# KiCad board panel.kicad_pcb (continued)
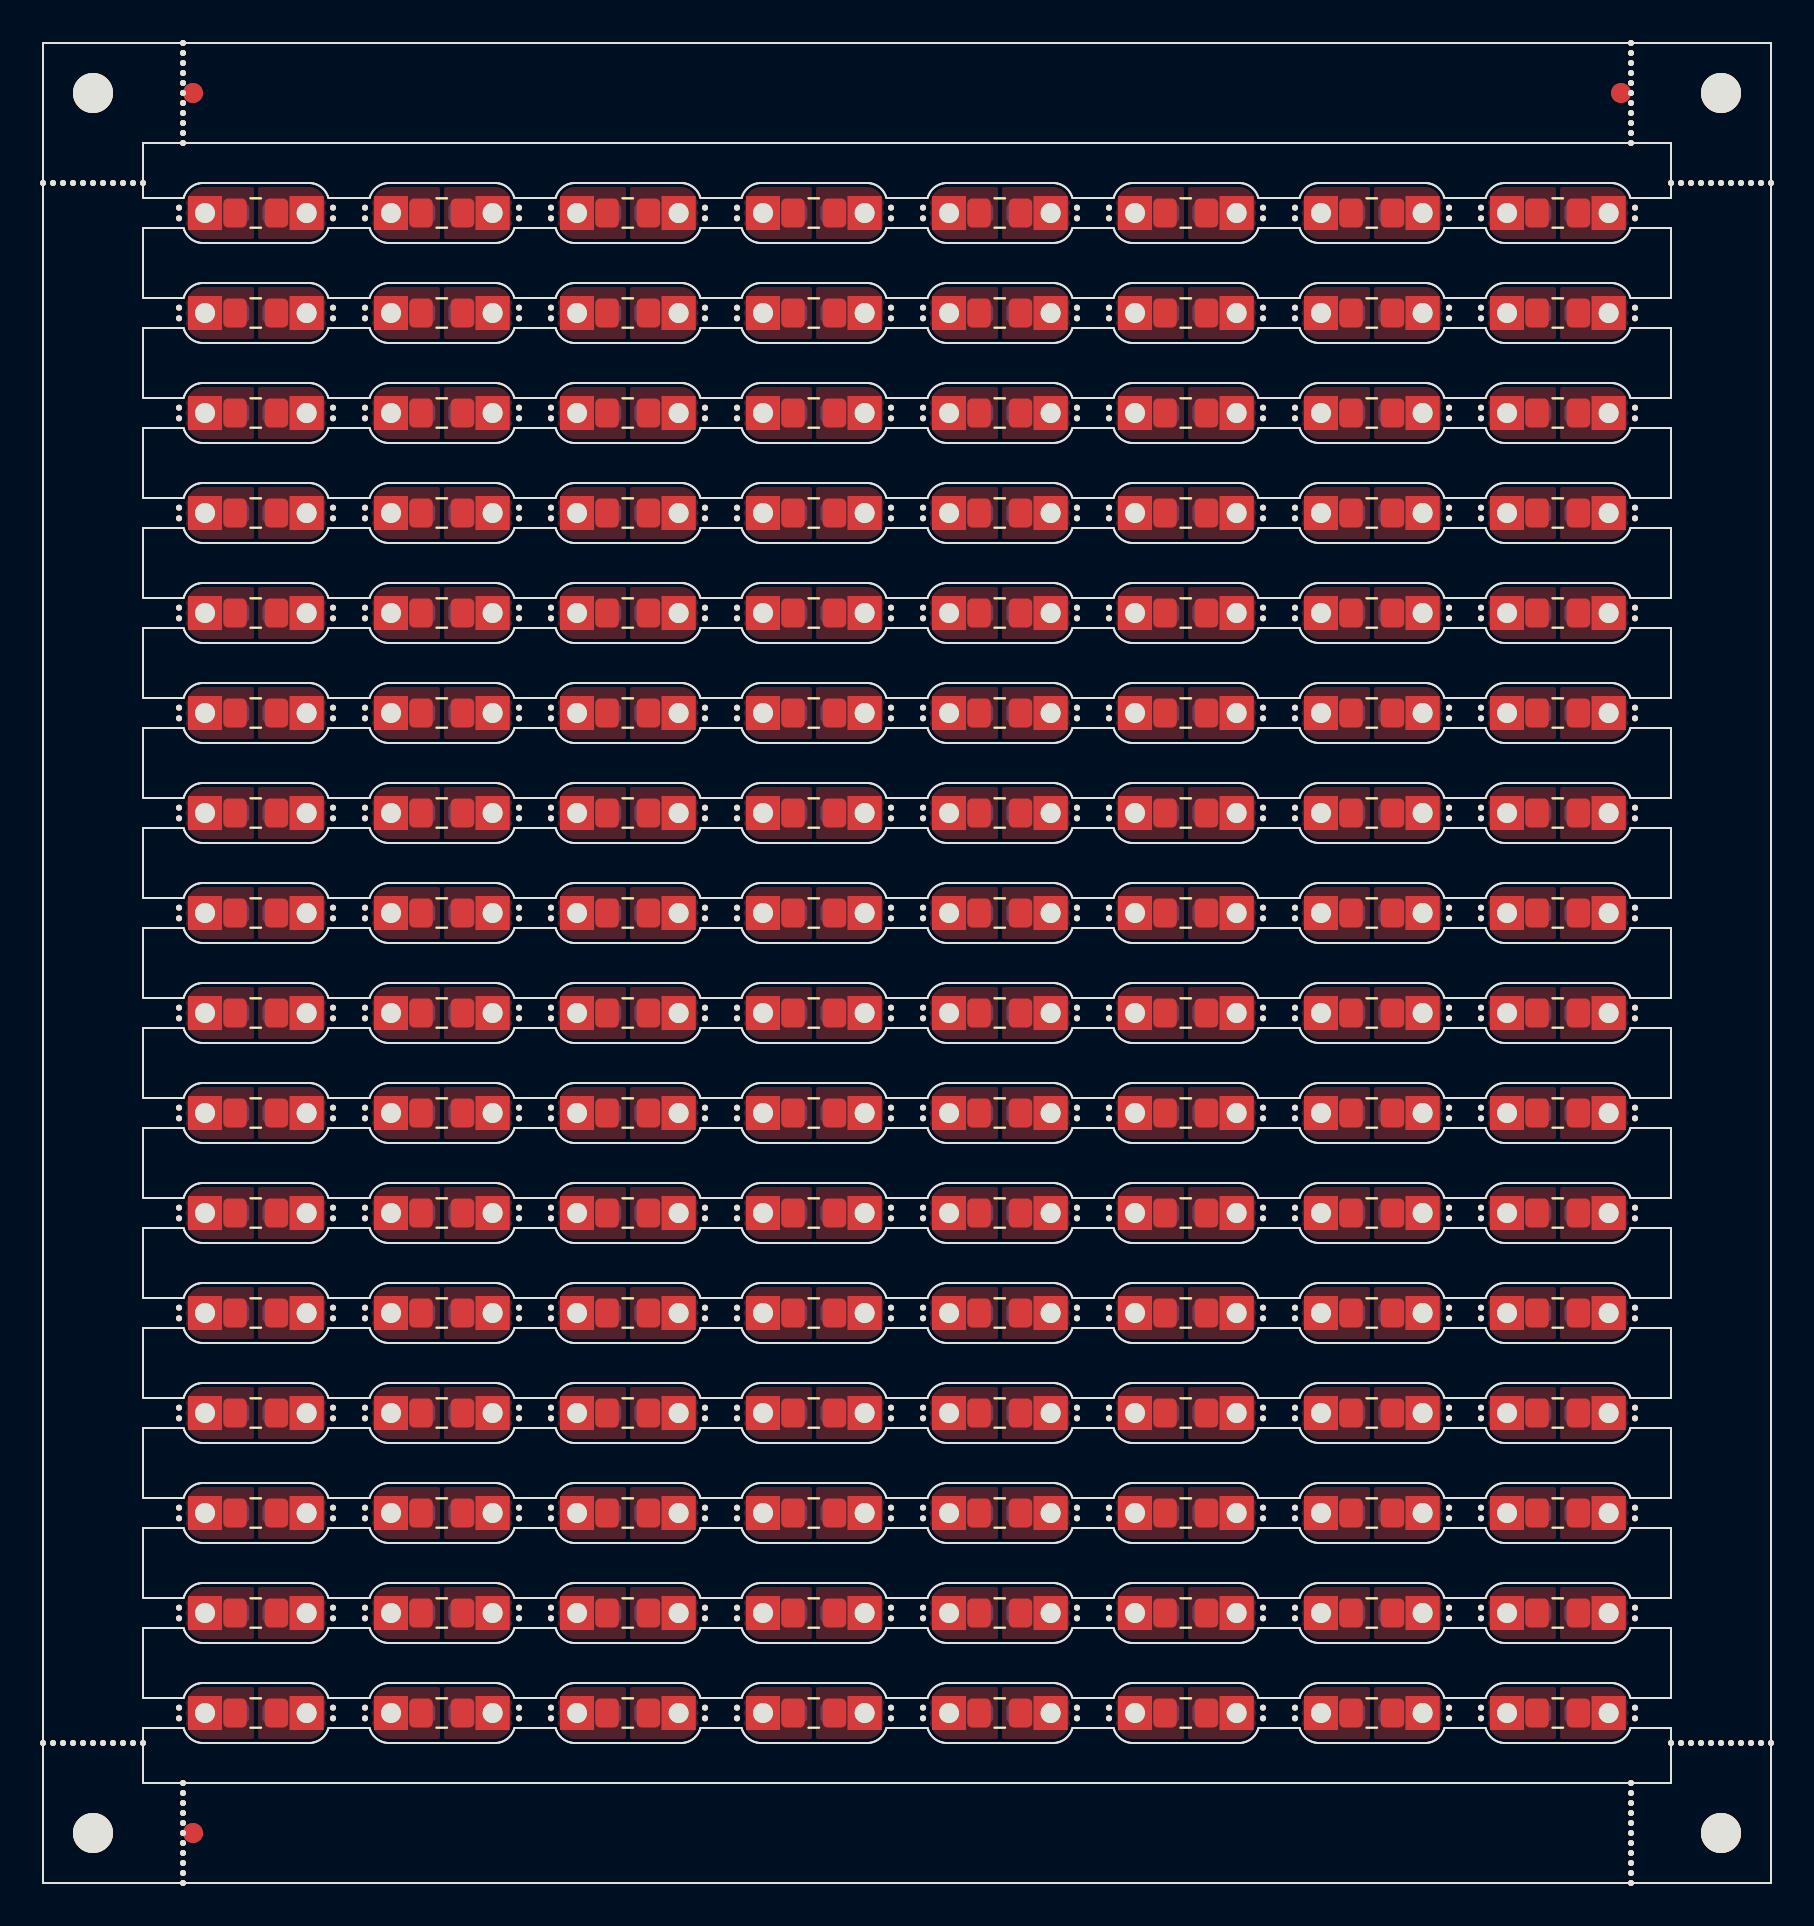
[diagram p0: board, top side]
## Placement (name value [footprint] x y rotation side) (continued)
C2#117  C  [C_0603_1608Metric_Pad1.08x0.95mm_HandSolder]  10.64 18.5 0 bottom
C2#118  C  [C_0603_1608Metric_Pad1.08x0.95mm_HandSolder]  75.74 63.5 0 bottom
C2#119  C  [C_0603_1608Metric_Pad1.08x0.95mm_HandSolder]  38.54 63.5 0 bottom
C2#120  C  [C_0603_1608Metric_Pad1.08x0.95mm_HandSolder]  75.74 43.5 0 bottom
C2#121  C  [C_0603_1608Metric_Pad1.08x0.95mm_HandSolder]  66.44 78.5 0 bottom
C2#122  C  [C_0603_1608Metric_Pad1.08x0.95mm_HandSolder]  57.14 63.5 0 bottom
C2#123  C  [C_0603_1608Metric_Pad1.08x0.95mm_HandSolder]  57.14 8.5 0 bottom
C2#124  C  [C_0603_1608Metric_Pad1.08x0.95mm_HandSolder]  47.84 48.5 0 bottom
C2#125  C  [C_0603_1608Metric_Pad1.08x0.95mm_HandSolder]  29.24 48.5 0 bottom
C2#126  C  [C_0603_1608Metric_Pad1.08x0.95mm_HandSolder]  19.94 53.5 0 bottom
C2#127  C  [C_0603_1608Metric_Pad1.08x0.95mm_HandSolder]  66.44 53.5 0 bottom
C2#128  C  [C_0603_1608Metric_Pad1.08x0.95mm_HandSolder]  75.74 13.5 0 bottom
J1  Conn_01x01  [PinHeader_1x01_P2.54mm_Vertical]  73.2 18.5 0 top
J1#2  Conn_01x01  [PinHeader_1x01_P2.54mm_Vertical]  36 68.5 0 top
J1#3  Conn_01x01  [PinHeader_1x01_P2.54mm_Vertical]  36 58.5 0 top
J1#4  Conn_01x01  [PinHeader_1x01_P2.54mm_Vertical]  26.7 28.5 0 top
J1#5  Conn_01x01  [PinHeader_1x01_P2.54mm_Vertical]  63.9 58.5 0 top
J1#6  Conn_01x01  [PinHeader_1x01_P2.54mm_Vertical]  26.7 43.5 0 top
J1#7  Conn_01x01  [PinHeader_1x01_P2.54mm_Vertical]  8.1 18.5 0 top
J1#8  Conn_01x01  [PinHeader_1x01_P2.54mm_Vertical]  8.1 83.5 0 top
J1#9  Conn_01x01  [PinHeader_1x01_P2.54mm_Vertical]  17.4 68.5 0 top
J1#10  Conn_01x01  [PinHeader_1x01_P2.54mm_Vertical]  73.2 23.5 0 top
J1#11  Conn_01x01  [PinHeader_1x01_P2.54mm_Vertical]  73.2 58.5 0 top
J1#12  Conn_01x01  [PinHeader_1x01_P2.54mm_Vertical]  45.3 73.5 0 top
J1#13  Conn_01x01  [PinHeader_1x01_P2.54mm_Vertical]  54.6 28.5 0 top
J1#14  Conn_01x01  [PinHeader_1x01_P2.54mm_Vertical]  17.4 18.5 0 top
J1#15  Conn_01x01  [PinHeader_1x01_P2.54mm_Vertical]  45.3 33.5 0 top
J1#16  Conn_01x01  [PinHeader_1x01_P2.54mm_Vertical]  26.7 78.5 0 top
J1#17  Conn_01x01  [PinHeader_1x01_P2.54mm_Vertical]  45.3 43.5 0 top
J1#18  Conn_01x01  [PinHeader_1x01_P2.54mm_Vertical]  54.6 18.5 0 top
J1#19  Conn_01x01  [PinHeader_1x01_P2.54mm_Vertical]  36 43.5 0 top
J1#20  Conn_01x01  [PinHeader_1x01_P2.54mm_Vertical]  17.4 48.5 0 top
J1#21  Conn_01x01  [PinHeader_1x01_P2.54mm_Vertical]  17.4 23.5 0 top
J1#22  Conn_01x01  [PinHeader_1x01_P2.54mm_Vertical]  54.6 33.5 0 top
J1#23  Conn_01x01  [PinHeader_1x01_P2.54mm_Vertical]  17.4 78.5 0 top
J1#24  Conn_01x01  [PinHeader_1x01_P2.54mm_Vertical]  45.3 13.5 0 top
J1#25  Conn_01x01  [PinHeader_1x01_P2.54mm_Vertical]  8.1 13.5 0 top
J1#26  Conn_01x01  [PinHeader_1x01_P2.54mm_Vertical]  8.1 38.5 0 top
J1#27  Conn_01x01  [PinHeader_1x01_P2.54mm_Vertical]  36 8.5 0 top
J1#28  Conn_01x01  [PinHeader_1x01_P2.54mm_Vertical]  8.1 23.5 0 top
J1#29  Conn_01x01  [PinHeader_1x01_P2.54mm_Vertical]  8.1 43.5 0 top
J1#30  Conn_01x01  [PinHeader_1x01_P2.54mm_Vertical]  73.2 33.5 0 top
J1#31  Conn_01x01  [PinHeader_1x01_P2.54mm_Vertical]  8.1 53.5 0 top
J1#32  Conn_01x01  [PinHeader_1x01_P2.54mm_Vertical]  36 63.5 0 top
J1#33  Conn_01x01  [PinHeader_1x01_P2.54mm_Vertical]  17.4 43.5 0 top
J1#34  Conn_01x01  [PinHeader_1x01_P2.54mm_Vertical]  73.2 38.5 0 top
J1#35  Conn_01x01  [PinHeader_1x01_P2.54mm_Vertical]  8.1 73.5 0 top
J1#36  Conn_01x01  [PinHeader_1x01_P2.54mm_Vertical]  45.3 48.5 0 top
J1#37  Conn_01x01  [PinHeader_1x01_P2.54mm_Vertical]  36 18.5 0 top
J1#38  Conn_01x01  [PinHeader_1x01_P2.54mm_Vertical]  54.6 63.5 0 top
J1#39  Conn_01x01  [PinHeader_1x01_P2.54mm_Vertical]  36 28.5 0 top
J1#40  Conn_01x01  [PinHeader_1x01_P2.54mm_Vertical]  26.7 58.5 0 top
J1#41  Conn_01x01  [PinHeader_1x01_P2.54mm_Vertical]  8.1 63.5 0 top
J1#42  Conn_01x01  [PinHeader_1x01_P2.54mm_Vertical]  63.9 8.5 0 top
J1#43  Conn_01x01  [PinHeader_1x01_P2.54mm_Vertical]  73.2 63.5 0 top
J1#44  Conn_01x01  [PinHeader_1x01_P2.54mm_Vertical]  36 13.5 0 top
J1#45  Conn_01x01  [PinHeader_1x01_P2.54mm_Vertical]  54.6 78.5 0 top
J1#46  Conn_01x01  [PinHeader_1x01_P2.54mm_Vertical]  8.1 33.5 0 top
J1#47  Conn_01x01  [PinHeader_1x01_P2.54mm_Vertical]  36 78.5 0 top
J1#48  Conn_01x01  [PinHeader_1x01_P2.54mm_Vertical]  17.4 38.5 0 top
J1#49  Conn_01x01  [PinHeader_1x01_P2.54mm_Vertical]  8.1 48.5 0 top
J1#50  Conn_01x01  [PinHeader_1x01_P2.54mm_Vertical]  36 83.5 0 top
J1#51  Conn_01x01  [PinHeader_1x01_P2.54mm_Vertical]  17.4 73.5 0 top
J1#52  Conn_01x01  [PinHeader_1x01_P2.54mm_Vertical]  45.3 18.5 0 top
J1#53  Conn_01x01  [PinHeader_1x01_P2.54mm_Vertical]  63.9 68.5 0 top
J1#54  Conn_01x01  [PinHeader_1x01_P2.54mm_Vertical]  54.6 43.5 0 top
J1#55  Conn_01x01  [PinHeader_1x01_P2.54mm_Vertical]  8.1 78.5 0 top
J1#56  Conn_01x01  [PinHeader_1x01_P2.54mm_Vertical]  54.6 38.5 0 top
J1#57  Conn_01x01  [PinHeader_1x01_P2.54mm_Vertical]  8.1 8.5 0 top
J1#58  Conn_01x01  [PinHeader_1x01_P2.54mm_Vertical]  36 38.5 0 top
J1#59  Conn_01x01  [PinHeader_1x01_P2.54mm_Vertical]  54.6 83.5 0 top
J1#60  Conn_01x01  [PinHeader_1x01_P2.54mm_Vertical]  73.2 73.5 0 top
J1#61  Conn_01x01  [PinHeader_1x01_P2.54mm_Vertical]  73.2 13.5 0 top
J1#62  Conn_01x01  [PinHeader_1x01_P2.54mm_Vertical]  36 73.5 0 top
J1#63  Conn_01x01  [PinHeader_1x01_P2.54mm_Vertical]  63.9 13.5 0 top
J1#64  Conn_01x01  [PinHeader_1x01_P2.54mm_Vertical]  63.9 28.5 0 top
J1#65  Conn_01x01  [PinHeader_1x01_P2.54mm_Vertical]  36 33.5 0 top
J1#66  Conn_01x01  [PinHeader_1x01_P2.54mm_Vertical]  45.3 28.5 0 top
J1#67  Conn_01x01  [PinHeader_1x01_P2.54mm_Vertical]  54.6 13.5 0 top
J1#68  Conn_01x01  [PinHeader_1x01_P2.54mm_Vertical]  8.1 68.5 0 top
J1#69  Conn_01x01  [PinHeader_1x01_P2.54mm_Vertical]  54.6 48.5 0 top
J1#70  Conn_01x01  [PinHeader_1x01_P2.54mm_Vertical]  17.4 33.5 0 top
J1#71  Conn_01x01  [PinHeader_1x01_P2.54mm_Vertical]  45.3 38.5 0 top
J1#72  Conn_01x01  [PinHeader_1x01_P2.54mm_Vertical]  63.9 18.5 0 top
J1#73  Conn_01x01  [PinHeader_1x01_P2.54mm_Vertical]  36 53.5 0 top
J1#74  Conn_01x01  [PinHeader_1x01_P2.54mm_Vertical]  54.6 23.5 0 top
J1#75  Conn_01x01  [PinHeader_1x01_P2.54mm_Vertical]  63.9 63.5 0 top
J1#76  Conn_01x01  [PinHeader_1x01_P2.54mm_Vertical]  63.9 53.5 0 top
J1#77  Conn_01x01  [PinHeader_1x01_P2.54mm_Vertical]  26.7 53.5 0 top
J1#78  Conn_01x01  [PinHeader_1x01_P2.54mm_Vertical]  73.2 43.5 0 top
J1#79  Conn_01x01  [PinHeader_1x01_P2.54mm_Vertical]  17.4 13.5 0 top
J1#80  Conn_01x01  [PinHeader_1x01_P2.54mm_Vertical]  26.7 83.5 0 top
J1#81  Conn_01x01  [PinHeader_1x01_P2.54mm_Vertical]  17.4 63.5 0 top
J1#82  Conn_01x01  [PinHeader_1x01_P2.54mm_Vertical]  63.9 83.5 0 top
J1#83  Conn_01x01  [PinHeader_1x01_P2.54mm_Vertical]  17.4 83.5 0 top
J1#84  Conn_01x01  [PinHeader_1x01_P2.54mm_Vertical]  26.7 33.5 0 top
J1#85  Conn_01x01  [PinHeader_1x01_P2.54mm_Vertical]  45.3 53.5 0 top
J1#86  Conn_01x01  [PinHeader_1x01_P2.54mm_Vertical]  63.9 33.5 0 top
J1#87  Conn_01x01  [PinHeader_1x01_P2.54mm_Vertical]  54.6 58.5 0 top
J1#88  Conn_01x01  [PinHeader_1x01_P2.54mm_Vertical]  26.7 8.5 0 top
J1#89  Conn_01x01  [PinHeader_1x01_P2.54mm_Vertical]  26.7 73.5 0 top
J1#90  Conn_01x01  [PinHeader_1x01_P2.54mm_Vertical]  17.4 8.5 0 top
J1#91  Conn_01x01  [PinHeader_1x01_P2.54mm_Vertical]  26.7 48.5 0 top
J1#92  Conn_01x01  [PinHeader_1x01_P2.54mm_Vertical]  17.4 28.5 0 top
J1#93  Conn_01x01  [PinHeader_1x01_P2.54mm_Vertical]  54.6 73.5 0 top
J1#94  Conn_01x01  [PinHeader_1x01_P2.54mm_Vertical]  45.3 58.5 0 top
J1#95  Conn_01x01  [PinHeader_1x01_P2.54mm_Vertical]  73.2 8.5 0 top
J1#96  Conn_01x01  [PinHeader_1x01_P2.54mm_Vertical]  45.3 63.5 0 top
J1#97  Conn_01x01  [PinHeader_1x01_P2.54mm_Vertical]  26.7 18.5 0 top
J1#98  Conn_01x01  [PinHeader_1x01_P2.54mm_Vertical]  8.1 58.5 0 top
J1#99  Conn_01x01  [PinHeader_1x01_P2.54mm_Vertical]  73.2 78.5 0 top
J1#100  Conn_01x01  [PinHeader_1x01_P2.54mm_Vertical]  63.9 73.5 0 top
J1#101  Conn_01x01  [PinHeader_1x01_P2.54mm_Vertical]  36 48.5 0 top
J1#102  Conn_01x01  [PinHeader_1x01_P2.54mm_Vertical]  26.7 38.5 0 top
J1#103  Conn_01x01  [PinHeader_1x01_P2.54mm_Vertical]  63.9 23.5 0 top
J1#104  Conn_01x01  [PinHeader_1x01_P2.54mm_Vertical]  45.3 8.5 0 top
J1#105  Conn_01x01  [PinHeader_1x01_P2.54mm_Vertical]  45.3 68.5 0 top
J1#106  Conn_01x01  [PinHeader_1x01_P2.54mm_Vertical]  63.9 38.5 0 top
J1#107  Conn_01x01  [PinHeader_1x01_P2.54mm_Vertical]  26.7 23.5 0 top
J1#108  Conn_01x01  [PinHeader_1x01_P2.54mm_Vertical]  8.1 28.5 0 top
J1#109  Conn_01x01  [PinHeader_1x01_P2.54mm_Vertical]  26.7 68.5 0 top
J1#110  Conn_01x01  [PinHeader_1x01_P2.54mm_Vertical]  63.9 43.5 0 top
J1#111  Conn_01x01  [PinHeader_1x01_P2.54mm_Vertical]  73.2 83.5 0 top
J1#112  Conn_01x01  [PinHeader_1x01_P2.54mm_Vertical]  73.2 53.5 0 top
J1#113  Conn_01x01  [PinHeader_1x01_P2.54mm_Vertical]  45.3 23.5 0 top
J1#114  Conn_01x01  [PinHeader_1x01_P2.54mm_Vertical]  26.7 13.5 0 top
J1#115  Conn_01x01  [PinHeader_1x01_P2.54mm_Vertical]  73.2 28.5 0 top
J1#116  Conn_01x01  [PinHeader_1x01_P2.54mm_Vertical]  17.4 58.5 0 top
J1#117  Conn_01x01  [PinHeader_1x01_P2.54mm_Vertical]  36 23.5 0 top
J1#118  Conn_01x01  [PinHeader_1x01_P2.54mm_Vertical]  17.4 53.5 0 top
J1#119  Conn_01x01  [PinHeader_1x01_P2.54mm_Vertical]  54.6 53.5 0 top
J1#120  Conn_01x01  [PinHeader_1x01_P2.54mm_Vertical]  45.3 78.5 0 top
J1#121  Conn_01x01  [PinHeader_1x01_P2.54mm_Vertical]  63.9 48.5 0 top
J1#122  Conn_01x01  [PinHeader_1x01_P2.54mm_Vertical]  73.2 68.5 0 top
J1#123  Conn_01x01  [PinHeader_1x01_P2.54mm_Vertical]  54.6 68.5 0 top
J1#124  Conn_01x01  [PinHeader_1x01_P2.54mm_Vertical]  63.9 78.5 0 top
J1#125  Conn_01x01  [PinHeader_1x01_P2.54mm_Vertical]  45.3 83.5 0 top
J1#126  Conn_01x01  [PinHeader_1x01_P2.54mm_Vertical]  54.6 8.5 0 top
J1#127  Conn_01x01  [PinHeader_1x01_P2.54mm_Vertical]  26.7 63.5 0 top
J1#128  Conn_01x01  [PinHeader_1x01_P2.54mm_Vertical]  73.2 48.5 0 top
J2  Conn_01x01  [PinHeader_1x01_P2.54mm_Vertical]  78.28 43.5 0 top
J2#2  Conn_01x01  [PinHeader_1x01_P2.54mm_Vertical]  59.68 8.5 0 top
J2#3  Conn_01x01  [PinHeader_1x01_P2.54mm_Vertical]  50.38 63.5 0 top
J2#4  Conn_01x01  [PinHeader_1x01_P2.54mm_Vertical]  41.08 83.5 0 top
J2#5  Conn_01x01  [PinHeader_1x01_P2.54mm_Vertical]  13.18 68.5 0 top
J2#6  Conn_01x01  [PinHeader_1x01_P2.54mm_Vertical]  41.08 18.5 0 top
J2#7  Conn_01x01  [PinHeader_1x01_P2.54mm_Vertical]  31.78 8.5 0 top
J2#8  Conn_01x01  [PinHeader_1x01_P2.54mm_Vertical]  41.08 13.5 0 top
J2#9  Conn_01x01  [PinHeader_1x01_P2.54mm_Vertical]  68.98 58.5 0 top
J2#10  Conn_01x01  [PinHeader_1x01_P2.54mm_Vertical]  50.38 28.5 0 top
J2#11  Conn_01x01  [PinHeader_1x01_P2.54mm_Vertical]  78.28 63.5 0 top
J2#12  Conn_01x01  [PinHeader_1x01_P2.54mm_Vertical]  50.38 43.5 0 top
J2#13  Conn_01x01  [PinHeader_1x01_P2.54mm_Vertical]  78.28 48.5 0 top
J2#14  Conn_01x01  [PinHeader_1x01_P2.54mm_Vertical]  31.78 48.5 0 top
J2#15  Conn_01x01  [PinHeader_1x01_P2.54mm_Vertical]  59.68 73.5 0 top
J2#16  Conn_01x01  [PinHeader_1x01_P2.54mm_Vertical]  13.18 28.5 0 top
J2#17  Conn_01x01  [PinHeader_1x01_P2.54mm_Vertical]  31.78 73.5 0 top
J2#18  Conn_01x01  [PinHeader_1x01_P2.54mm_Vertical]  78.28 83.5 0 top
J2#19  Conn_01x01  [PinHeader_1x01_P2.54mm_Vertical]  59.68 38.5 0 top
J2#20  Conn_01x01  [PinHeader_1x01_P2.54mm_Vertical]  31.78 38.5 0 top
J2#21  Conn_01x01  [PinHeader_1x01_P2.54mm_Vertical]  22.48 48.5 0 top
J2#22  Conn_01x01  [PinHeader_1x01_P2.54mm_Vertical]  78.28 8.5 0 top
J2#23  Conn_01x01  [PinHeader_1x01_P2.54mm_Vertical]  31.78 33.5 0 top
J2#24  Conn_01x01  [PinHeader_1x01_P2.54mm_Vertical]  31.78 58.5 0 top
J2#25  Conn_01x01  [PinHeader_1x01_P2.54mm_Vertical]  78.28 78.5 0 top
J2#26  Conn_01x01  [PinHeader_1x01_P2.54mm_Vertical]  78.28 38.5 0 top
J2#27  Conn_01x01  [PinHeader_1x01_P2.54mm_Vertical]  59.68 43.5 0 top
J2#28  Conn_01x01  [PinHeader_1x01_P2.54mm_Vertical]  68.98 33.5 0 top
J2#29  Conn_01x01  [PinHeader_1x01_P2.54mm_Vertical]  22.48 38.5 0 top
J2#30  Conn_01x01  [PinHeader_1x01_P2.54mm_Vertical]  50.38 23.5 0 top
J2#31  Conn_01x01  [PinHeader_1x01_P2.54mm_Vertical]  59.68 78.5 0 top
J2#32  Conn_01x01  [PinHeader_1x01_P2.54mm_Vertical]  59.68 53.5 0 top
J2#33  Conn_01x01  [PinHeader_1x01_P2.54mm_Vertical]  50.38 48.5 0 top
J2#34  Conn_01x01  [PinHeader_1x01_P2.54mm_Vertical]  78.28 13.5 0 top
J2#35  Conn_01x01  [PinHeader_1x01_P2.54mm_Vertical]  22.48 83.5 0 top
J2#36  Conn_01x01  [PinHeader_1x01_P2.54mm_Vertical]  78.28 28.5 0 top
J2#37  Conn_01x01  [PinHeader_1x01_P2.54mm_Vertical]  41.08 33.5 0 top
J2#38  Conn_01x01  [PinHeader_1x01_P2.54mm_Vertical]  59.68 58.5 0 top
J2#39  Conn_01x01  [PinHeader_1x01_P2.54mm_Vertical]  22.48 78.5 0 top
J2#40  Conn_01x01  [PinHeader_1x01_P2.54mm_Vertical]  31.78 68.5 0 top
J2#41  Conn_01x01  [PinHeader_1x01_P2.54mm_Vertical]  22.48 13.5 0 top
J2#42  Conn_01x01  [PinHeader_1x01_P2.54mm_Vertical]  41.08 48.5 0 top
J2#43  Conn_01x01  [PinHeader_1x01_P2.54mm_Vertical]  13.18 33.5 0 top
J2#44  Conn_01x01  [PinHeader_1x01_P2.54mm_Vertical]  50.38 53.5 0 top
J2#45  Conn_01x01  [PinHeader_1x01_P2.54mm_Vertical]  22.48 43.5 0 top
J2#46  Conn_01x01  [PinHeader_1x01_P2.54mm_Vertical]  22.48 33.5 0 top
J2#47  Conn_01x01  [PinHeader_1x01_P2.54mm_Vertical]  13.18 48.5 0 top
J2#48  Conn_01x01  [PinHeader_1x01_P2.54mm_Vertical]  78.28 73.5 0 top
J2#49  Conn_01x01  [PinHeader_1x01_P2.54mm_Vertical]  68.98 18.5 0 top
J2#50  Conn_01x01  [PinHeader_1x01_P2.54mm_Vertical]  22.48 8.5 0 top
J2#51  Conn_01x01  [PinHeader_1x01_P2.54mm_Vertical]  59.68 83.5 0 top
J2#52  Conn_01x01  [PinHeader_1x01_P2.54mm_Vertical]  31.78 83.5 0 top
J2#53  Conn_01x01  [PinHeader_1x01_P2.54mm_Vertical]  68.98 28.5 0 top
J2#54  Conn_01x01  [PinHeader_1x01_P2.54mm_Vertical]  41.08 73.5 0 top
J2#55  Conn_01x01  [PinHeader_1x01_P2.54mm_Vertical]  50.38 73.5 0 top
J2#56  Conn_01x01  [PinHeader_1x01_P2.54mm_Vertical]  13.18 18.5 0 top
J2#57  Conn_01x01  [PinHeader_1x01_P2.54mm_Vertical]  68.98 8.5 0 top
J2#58  Conn_01x01  [PinHeader_1x01_P2.54mm_Vertical]  78.28 58.5 0 top
J2#59  Conn_01x01  [PinHeader_1x01_P2.54mm_Vertical]  59.68 48.5 0 top
J2#60  Conn_01x01  [PinHeader_1x01_P2.54mm_Vertical]  31.78 43.5 0 top
J2#61  Conn_01x01  [PinHeader_1x01_P2.54mm_Vertical]  59.68 63.5 0 top
J2#62  Conn_01x01  [PinHeader_1x01_P2.54mm_Vertical]  13.18 63.5 0 top
J2#63  Conn_01x01  [PinHeader_1x01_P2.54mm_Vertical]  68.98 68.5 0 top
J2#64  Conn_01x01  [PinHeader_1x01_P2.54mm_Vertical]  68.98 73.5 0 top
J2#65  Conn_01x01  [PinHeader_1x01_P2.54mm_Vertical]  31.78 18.5 0 top
J2#66  Conn_01x01  [PinHeader_1x01_P2.54mm_Vertical]  22.48 23.5 0 top
J2#67  Conn_01x01  [PinHeader_1x01_P2.54mm_Vertical]  41.08 53.5 0 top
J2#68  Conn_01x01  [PinHeader_1x01_P2.54mm_Vertical]  59.68 28.5 0 top
J2#69  Conn_01x01  [PinHeader_1x01_P2.54mm_Vertical]  41.08 43.5 0 top
J2#70  Conn_01x01  [PinHeader_1x01_P2.54mm_Vertical]  59.68 13.5 0 top
J2#71  Conn_01x01  [PinHeader_1x01_P2.54mm_Vertical]  50.38 58.5 0 top
J2#72  Conn_01x01  [PinHeader_1x01_P2.54mm_Vertical]  22.48 58.5 0 top
J2#73  Conn_01x01  [PinHeader_1x01_P2.54mm_Vertical]  68.98 83.5 0 top
J2#74  Conn_01x01  [PinHeader_1x01_P2.54mm_Vertical]  50.38 78.5 0 top
J2#75  Conn_01x01  [PinHeader_1x01_P2.54mm_Vertical]  68.98 23.5 0 top
J2#76  Conn_01x01  [PinHeader_1x01_P2.54mm_Vertical]  13.18 73.5 0 top
J2#77  Conn_01x01  [PinHeader_1x01_P2.54mm_Vertical]  78.28 33.5 0 top
J2#78  Conn_01x01  [PinHeader_1x01_P2.54mm_Vertical]  13.18 8.5 0 top
J2#79  Conn_01x01  [PinHeader_1x01_P2.54mm_Vertical]  22.48 73.5 0 top
J2#80  Conn_01x01  [PinHeader_1x01_P2.54mm_Vertical]  13.18 13.5 0 top
J2#81  Conn_01x01  [PinHeader_1x01_P2.54mm_Vertical]  59.68 23.5 0 top
J2#82  Conn_01x01  [PinHeader_1x01_P2.54mm_Vertical]  41.08 8.5 0 top
J2#83  Conn_01x01  [PinHeader_1x01_P2.54mm_Vertical]  50.38 13.5 0 top
J2#84  Conn_01x01  [PinHeader_1x01_P2.54mm_Vertical]  41.08 68.5 0 top
J2#85  Conn_01x01  [PinHeader_1x01_P2.54mm_Vertical]  68.98 53.5 0 top
J2#86  Conn_01x01  [PinHeader_1x01_P2.54mm_Vertical]  59.68 18.5 0 top
J2#87  Conn_01x01  [PinHeader_1x01_P2.54mm_Vertical]  41.08 28.5 0 top
J2#88  Conn_01x01  [PinHeader_1x01_P2.54mm_Vertical]  13.18 83.5 0 top
J2#89  Conn_01x01  [PinHeader_1x01_P2.54mm_Vertical]  31.78 23.5 0 top
J2#90  Conn_01x01  [PinHeader_1x01_P2.54mm_Vertical]  68.98 38.5 0 top
J2#91  Conn_01x01  [PinHeader_1x01_P2.54mm_Vertical]  50.38 8.5 0 top
J2#92  Conn_01x01  [PinHeader_1x01_P2.54mm_Vertical]  68.98 48.5 0 top
J2#93  Conn_01x01  [PinHeader_1x01_P2.54mm_Vertical]  59.68 33.5 0 top
J2#94  Conn_01x01  [PinHeader_1x01_P2.54mm_Vertical]  41.08 58.5 0 top
J2#95  Conn_01x01  [PinHeader_1x01_P2.54mm_Vertical]  13.18 53.5 0 top
J2#96  Conn_01x01  [PinHeader_1x01_P2.54mm_Vertical]  41.08 38.5 0 top
J2#97  Conn_01x01  [PinHeader_1x01_P2.54mm_Vertical]  50.38 18.5 0 top
J2#98  Conn_01x01  [PinHeader_1x01_P2.54mm_Vertical]  41.08 63.5 0 top
J2#99  Conn_01x01  [PinHeader_1x01_P2.54mm_Vertical]  78.28 68.5 0 top
J2#100  Conn_01x01  [PinHeader_1x01_P2.54mm_Vertical]  31.78 63.5 0 top
J2#101  Conn_01x01  [PinHeader_1x01_P2.54mm_Vertical]  68.98 43.5 0 top
J2#102  Conn_01x01  [PinHeader_1x01_P2.54mm_Vertical]  68.98 63.5 0 top
J2#103  Conn_01x01  [PinHeader_1x01_P2.54mm_Vertical]  13.18 43.5 0 top
J2#104  Conn_01x01  [PinHeader_1x01_P2.54mm_Vertical]  13.18 58.5 0 top
J2#105  Conn_01x01  [PinHeader_1x01_P2.54mm_Vertical]  22.48 63.5 0 top
J2#106  Conn_01x01  [PinHeader_1x01_P2.54mm_Vertical]  50.38 83.5 0 top
J2#107  Conn_01x01  [PinHeader_1x01_P2.54mm_Vertical]  50.38 33.5 0 top
J2#108  Conn_01x01  [PinHeader_1x01_P2.54mm_Vertical]  13.18 38.5 0 top
J2#109  Conn_01x01  [PinHeader_1x01_P2.54mm_Vertical]  13.18 78.5 0 top
J2#110  Conn_01x01  [PinHeader_1x01_P2.54mm_Vertical]  31.78 78.5 0 top
J2#111  Conn_01x01  [PinHeader_1x01_P2.54mm_Vertical]  59.68 68.5 0 top
J2#112  Conn_01x01  [PinHeader_1x01_P2.54mm_Vertical]  22.48 28.5 0 top
J2#113  Conn_01x01  [PinHeader_1x01_P2.54mm_Vertical]  13.18 23.5 0 top
J2#114  Conn_01x01  [PinHeader_1x01_P2.54mm_Vertical]  78.28 53.5 0 top
J2#115  Conn_01x01  [PinHeader_1x01_P2.54mm_Vertical]  41.08 23.5 0 top
J2#116  Conn_01x01  [PinHeader_1x01_P2.54mm_Vertical]  50.38 38.5 0 top
J2#117  Conn_01x01  [PinHeader_1x01_P2.54mm_Vertical]  22.48 18.5 0 top
J2#118  Conn_01x01  [PinHeader_1x01_P2.54mm_Vertical]  31.78 53.5 0 top
J2#119  Conn_01x01  [PinHeader_1x01_P2.54mm_Vertical]  78.28 18.5 0 top
J2#120  Conn_01x01  [PinHeader_1x01_P2.54mm_Vertical]  68.98 78.5 0 top
J2#121  Conn_01x01  [PinHeader_1x01_P2.54mm_Vertical]  68.98 13.5 0 top
J2#122  Conn_01x01  [PinHeader_1x01_P2.54mm_Vertical]  22.48 53.5 0 top
J2#123  Conn_01x01  [PinHeader_1x01_P2.54mm_Vertical]  50.38 68.5 0 top
J2#124  Conn_01x01  [PinHeader_1x01_P2.54mm_Vertical]  31.78 28.5 0 top
J2#125  Conn_01x01  [PinHeader_1x01_P2.54mm_Vertical]  78.28 23.5 0 top
J2#126  Conn_01x01  [PinHeader_1x01_P2.54mm_Vertical]  31.78 13.5 0 top
J2#127  Conn_01x01  [PinHeader_1x01_P2.54mm_Vertical]  41.08 78.5 0 top
J2#128  Conn_01x01  [PinHeader_1x01_P2.54mm_Vertical]  22.48 68.5 0 top
KiKit_FID_B_1  -  [Fiducial]  7.5 89.5 180 bottom
KiKit_FID_B_2  -  [Fiducial]  78.9 89.5 180 bottom
KiKit_FID_B_3  -  [Fiducial]  7.5 2.5 180 bottom
KiKit_FID_T_1  -  [Fiducial]  7.5 89.5 0 top
KiKit_FID_T_2  -  [Fiducial]  78.9 89.5 0 top
KiKit_FID_T_3  -  [Fiducial]  7.5 2.5 0 top
KiKit_MB_1_2  -  [NPTH]  6.8 83.23 0 top
KiKit_MB_1_3  -  [NPTH]  6.8 83.77 0 top
KiKit_MB_2_2  -  [NPTH]  14.5 83.77 0 top
KiKit_MB_2_3  -  [NPTH]  14.5 83.23 0 top
KiKit_MB_3_2  -  [NPTH]  16.1 83.23 0 top
KiKit_MB_3_3  -  [NPTH]  16.1 83.77 0 top
KiKit_MB_4_2  -  [NPTH]  23.8 83.77 0 top
KiKit_MB_4_3  -  [NPTH]  23.8 83.23 0 top
KiKit_MB_5_2  -  [NPTH]  25.4 83.23 0 top
KiKit_MB_5_3  -  [NPTH]  25.4 83.77 0 top
KiKit_MB_6_2  -  [NPTH]  33.1 83.77 0 top
KiKit_MB_6_3  -  [NPTH]  33.1 83.23 0 top
KiKit_MB_7_2  -  [NPTH]  34.7 83.23 0 top
KiKit_MB_7_3  -  [NPTH]  34.7 83.77 0 top
KiKit_MB_8_2  -  [NPTH]  42.4 83.77 0 top
KiKit_MB_8_3  -  [NPTH]  42.4 83.23 0 top
KiKit_MB_9_2  -  [NPTH]  44 83.23 0 top
KiKit_MB_9_3  -  [NPTH]  44 83.77 0 top
KiKit_MB_10_2  -  [NPTH]  51.7 83.77 0 top
KiKit_MB_10_3  -  [NPTH]  51.7 83.23 0 top
KiKit_MB_11_2  -  [NPTH]  53.3 83.23 0 top
KiKit_MB_11_3  -  [NPTH]  53.3 83.77 0 top
KiKit_MB_12_2  -  [NPTH]  61 83.77 0 top
KiKit_MB_12_3  -  [NPTH]  61 83.23 0 top
KiKit_MB_13_2  -  [NPTH]  62.6 83.23 0 top
KiKit_MB_13_3  -  [NPTH]  62.6 83.77 0 top
KiKit_MB_14_2  -  [NPTH]  70.3 83.77 0 top
KiKit_MB_14_3  -  [NPTH]  70.3 83.23 0 top
KiKit_MB_15_2  -  [NPTH]  71.9 83.23 0 top
KiKit_MB_15_3  -  [NPTH]  71.9 83.77 0 top
KiKit_MB_16_2  -  [NPTH]  79.6 83.77 0 top
KiKit_MB_16_3  -  [NPTH]  79.6 83.23 0 top
KiKit_MB_17_2  -  [NPTH]  6.8 78.23 0 top
KiKit_MB_17_3  -  [NPTH]  6.8 78.77 0 top
KiKit_MB_18_2  -  [NPTH]  14.5 78.77 0 top
KiKit_MB_18_3  -  [NPTH]  14.5 78.23 0 top
KiKit_MB_19_2  -  [NPTH]  16.1 78.23 0 top
KiKit_MB_19_3  -  [NPTH]  16.1 78.77 0 top
KiKit_MB_20_2  -  [NPTH]  23.8 78.77 0 top
KiKit_MB_20_3  -  [NPTH]  23.8 78.23 0 top
KiKit_MB_21_2  -  [NPTH]  25.4 78.23 0 top
KiKit_MB_21_3  -  [NPTH]  25.4 78.77 0 top
KiKit_MB_22_2  -  [NPTH]  33.1 78.77 0 top
KiKit_MB_22_3  -  [NPTH]  33.1 78.23 0 top
KiKit_MB_23_2  -  [NPTH]  34.7 78.23 0 top
KiKit_MB_23_3  -  [NPTH]  34.7 78.77 0 top
KiKit_MB_24_2  -  [NPTH]  42.4 78.77 0 top
KiKit_MB_24_3  -  [NPTH]  42.4 78.23 0 top
KiKit_MB_25_2  -  [NPTH]  44 78.23 0 top
KiKit_MB_25_3  -  [NPTH]  44 78.77 0 top
KiKit_MB_26_2  -  [NPTH]  51.7 78.77 0 top
KiKit_MB_26_3  -  [NPTH]  51.7 78.23 0 top
KiKit_MB_27_2  -  [NPTH]  53.3 78.23 0 top
KiKit_MB_27_3  -  [NPTH]  53.3 78.77 0 top
KiKit_MB_28_2  -  [NPTH]  61 78.77 0 top
KiKit_MB_28_3  -  [NPTH]  61 78.23 0 top
KiKit_MB_29_2  -  [NPTH]  62.6 78.23 0 top
KiKit_MB_29_3  -  [NPTH]  62.6 78.77 0 top
KiKit_MB_30_2  -  [NPTH]  70.3 78.77 0 top
KiKit_MB_30_3  -  [NPTH]  70.3 78.23 0 top
KiKit_MB_31_2  -  [NPTH]  71.9 78.23 0 top
KiKit_MB_31_3  -  [NPTH]  71.9 78.77 0 top
KiKit_MB_32_2  -  [NPTH]  79.6 78.77 0 top
KiKit_MB_32_3  -  [NPTH]  79.6 78.23 0 top
KiKit_MB_33_2  -  [NPTH]  6.8 73.23 0 top
KiKit_MB_33_3  -  [NPTH]  6.8 73.77 0 top
KiKit_MB_34_2  -  [NPTH]  14.5 73.77 0 top
KiKit_MB_34_3  -  [NPTH]  14.5 73.23 0 top
KiKit_MB_35_2  -  [NPTH]  16.1 73.23 0 top
KiKit_MB_35_3  -  [NPTH]  16.1 73.77 0 top
KiKit_MB_36_2  -  [NPTH]  23.8 73.77 0 top
KiKit_MB_36_3  -  [NPTH]  23.8 73.23 0 top
KiKit_MB_37_2  -  [NPTH]  25.4 73.23 0 top
KiKit_MB_37_3  -  [NPTH]  25.4 73.77 0 top
KiKit_MB_38_2  -  [NPTH]  33.1 73.77 0 top
KiKit_MB_38_3  -  [NPTH]  33.1 73.23 0 top
KiKit_MB_39_2  -  [NPTH]  34.7 73.23 0 top
KiKit_MB_39_3  -  [NPTH]  34.7 73.77 0 top
KiKit_MB_40_2  -  [NPTH]  42.4 73.77 0 top
KiKit_MB_40_3  -  [NPTH]  42.4 73.23 0 top
KiKit_MB_41_2  -  [NPTH]  44 73.23 0 top
KiKit_MB_41_3  -  [NPTH]  44 73.77 0 top
KiKit_MB_42_2  -  [NPTH]  51.7 73.77 0 top
KiKit_MB_42_3  -  [NPTH]  51.7 73.23 0 top
KiKit_MB_43_2  -  [NPTH]  53.3 73.23 0 top
KiKit_MB_43_3  -  [NPTH]  53.3 73.77 0 top
KiKit_MB_44_2  -  [NPTH]  61 73.77 0 top
KiKit_MB_44_3  -  [NPTH]  61 73.23 0 top
KiKit_MB_45_2  -  [NPTH]  62.6 73.23 0 top
KiKit_MB_45_3  -  [NPTH]  62.6 73.77 0 top
KiKit_MB_46_2  -  [NPTH]  70.3 73.77 0 top
KiKit_MB_46_3  -  [NPTH]  70.3 73.23 0 top
KiKit_MB_47_2  -  [NPTH]  71.9 73.23 0 top
KiKit_MB_47_3  -  [NPTH]  71.9 73.77 0 top
KiKit_MB_48_2  -  [NPTH]  79.6 73.77 0 top
KiKit_MB_48_3  -  [NPTH]  79.6 73.23 0 top
KiKit_MB_49_2  -  [NPTH]  6.8 68.23 0 top
KiKit_MB_49_3  -  [NPTH]  6.8 68.77 0 top
KiKit_MB_50_2  -  [NPTH]  14.5 68.77 0 top
KiKit_MB_50_3  -  [NPTH]  14.5 68.23 0 top
KiKit_MB_51_2  -  [NPTH]  16.1 68.23 0 top
KiKit_MB_51_3  -  [NPTH]  16.1 68.77 0 top
KiKit_MB_52_2  -  [NPTH]  23.8 68.77 0 top
KiKit_MB_52_3  -  [NPTH]  23.8 68.23 0 top
KiKit_MB_53_2  -  [NPTH]  25.4 68.23 0 top
KiKit_MB_53_3  -  [NPTH]  25.4 68.77 0 top
KiKit_MB_54_2  -  [NPTH]  33.1 68.77 0 top
KiKit_MB_54_3  -  [NPTH]  33.1 68.23 0 top
KiKit_MB_55_2  -  [NPTH]  34.7 68.23 0 top
KiKit_MB_55_3  -  [NPTH]  34.7 68.77 0 top
KiKit_MB_56_2  -  [NPTH]  42.4 68.77 0 top
KiKit_MB_56_3  -  [NPTH]  42.4 68.23 0 top
KiKit_MB_57_2  -  [NPTH]  44 68.23 0 top
KiKit_MB_57_3  -  [NPTH]  44 68.77 0 top
KiKit_MB_58_2  -  [NPTH]  51.7 68.77 0 top
KiKit_MB_58_3  -  [NPTH]  51.7 68.23 0 top
KiKit_MB_59_2  -  [NPTH]  53.3 68.23 0 top
KiKit_MB_59_3  -  [NPTH]  53.3 68.77 0 top
KiKit_MB_60_2  -  [NPTH]  61 68.77 0 top
KiKit_MB_60_3  -  [NPTH]  61 68.23 0 top
KiKit_MB_61_2  -  [NPTH]  62.6 68.23 0 top
KiKit_MB_61_3  -  [NPTH]  62.6 68.77 0 top
KiKit_MB_62_2  -  [NPTH]  70.3 68.77 0 top
KiKit_MB_62_3  -  [NPTH]  70.3 68.23 0 top
KiKit_MB_63_2  -  [NPTH]  71.9 68.23 0 top
KiKit_MB_63_3  -  [NPTH]  71.9 68.77 0 top
KiKit_MB_64_2  -  [NPTH]  79.6 68.77 0 top
KiKit_MB_64_3  -  [NPTH]  79.6 68.23 0 top
KiKit_MB_65_2  -  [NPTH]  6.8 63.23 0 top
KiKit_MB_65_3  -  [NPTH]  6.8 63.77 0 top
KiKit_MB_66_2  -  [NPTH]  14.5 63.77 0 top
KiKit_MB_66_3  -  [NPTH]  14.5 63.23 0 top
KiKit_MB_67_2  -  [NPTH]  16.1 63.23 0 top
KiKit_MB_67_3  -  [NPTH]  16.1 63.77 0 top
KiKit_MB_68_2  -  [NPTH]  23.8 63.77 0 top
KiKit_MB_68_3  -  [NPTH]  23.8 63.23 0 top
KiKit_MB_69_2  -  [NPTH]  25.4 63.23 0 top
KiKit_MB_69_3  -  [NPTH]  25.4 63.77 0 top
KiKit_MB_70_2  -  [NPTH]  33.1 63.77 0 top
KiKit_MB_70_3  -  [NPTH]  33.1 63.23 0 top
KiKit_MB_71_2  -  [NPTH]  34.7 63.23 0 top
KiKit_MB_71_3  -  [NPTH]  34.7 63.77 0 top
KiKit_MB_72_2  -  [NPTH]  42.4 63.77 0 top
KiKit_MB_72_3  -  [NPTH]  42.4 63.23 0 top
KiKit_MB_73_2  -  [NPTH]  44 63.23 0 top
KiKit_MB_73_3  -  [NPTH]  44 63.77 0 top
KiKit_MB_74_2  -  [NPTH]  51.7 63.77 0 top
KiKit_MB_74_3  -  [NPTH]  51.7 63.23 0 top
KiKit_MB_75_2  -  [NPTH]  53.3 63.23 0 top
KiKit_MB_75_3  -  [NPTH]  53.3 63.77 0 top
KiKit_MB_76_2  -  [NPTH]  61 63.77 0 top
KiKit_MB_76_3  -  [NPTH]  61 63.23 0 top
KiKit_MB_77_2  -  [NPTH]  62.6 63.23 0 top
KiKit_MB_77_3  -  [NPTH]  62.6 63.77 0 top
KiKit_MB_78_2  -  [NPTH]  70.3 63.77 0 top
KiKit_MB_78_3  -  [NPTH]  70.3 63.23 0 top
KiKit_MB_79_2  -  [NPTH]  71.9 63.23 0 top
KiKit_MB_79_3  -  [NPTH]  71.9 63.77 0 top
KiKit_MB_80_2  -  [NPTH]  79.6 63.77 0 top
KiKit_MB_80_3  -  [NPTH]  79.6 63.23 0 top
KiKit_MB_81_2  -  [NPTH]  6.8 58.23 0 top
KiKit_MB_81_3  -  [NPTH]  6.8 58.77 0 top
KiKit_MB_82_2  -  [NPTH]  14.5 58.77 0 top
KiKit_MB_82_3  -  [NPTH]  14.5 58.23 0 top
KiKit_MB_83_2  -  [NPTH]  16.1 58.23 0 top
KiKit_MB_83_3  -  [NPTH]  16.1 58.77 0 top
KiKit_MB_84_2  -  [NPTH]  23.8 58.77 0 top
KiKit_MB_84_3  -  [NPTH]  23.8 58.23 0 top
KiKit_MB_85_2  -  [NPTH]  25.4 58.23 0 top
KiKit_MB_85_3  -  [NPTH]  25.4 58.77 0 top
KiKit_MB_86_2  -  [NPTH]  33.1 58.77 0 top
KiKit_MB_86_3  -  [NPTH]  33.1 58.23 0 top
KiKit_MB_87_2  -  [NPTH]  34.7 58.23 0 top
KiKit_MB_87_3  -  [NPTH]  34.7 58.77 0 top
KiKit_MB_88_2  -  [NPTH]  42.4 58.77 0 top
KiKit_MB_88_3  -  [NPTH]  42.4 58.23 0 top
KiKit_MB_89_2  -  [NPTH]  44 58.23 0 top
KiKit_MB_89_3  -  [NPTH]  44 58.77 0 top
KiKit_MB_90_2  -  [NPTH]  51.7 58.77 0 top
KiKit_MB_90_3  -  [NPTH]  51.7 58.23 0 top
KiKit_MB_91_2  -  [NPTH]  53.3 58.23 0 top
KiKit_MB_91_3  -  [NPTH]  53.3 58.77 0 top
KiKit_MB_92_2  -  [NPTH]  61 58.77 0 top
KiKit_MB_92_3  -  [NPTH]  61 58.23 0 top
KiKit_MB_93_2  -  [NPTH]  62.6 58.23 0 top
KiKit_MB_93_3  -  [NPTH]  62.6 58.77 0 top
KiKit_MB_94_2  -  [NPTH]  70.3 58.77 0 top
KiKit_MB_94_3  -  [NPTH]  70.3 58.23 0 top
KiKit_MB_95_2  -  [NPTH]  71.9 58.23 0 top
KiKit_MB_95_3  -  [NPTH]  71.9 58.77 0 top
KiKit_MB_96_2  -  [NPTH]  79.6 58.77 0 top
KiKit_MB_96_3  -  [NPTH]  79.6 58.23 0 top
KiKit_MB_97_2  -  [NPTH]  6.8 53.23 0 top
KiKit_MB_97_3  -  [NPTH]  6.8 53.77 0 top
KiKit_MB_98_2  -  [NPTH]  14.5 53.77 0 top
KiKit_MB_98_3  -  [NPTH]  14.5 53.23 0 top
KiKit_MB_99_2  -  [NPTH]  16.1 53.23 0 top
KiKit_MB_99_3  -  [NPTH]  16.1 53.77 0 top
KiKit_MB_100_2  -  [NPTH]  23.8 53.77 0 top
KiKit_MB_100_3  -  [NPTH]  23.8 53.23 0 top
KiKit_MB_101_2  -  [NPTH]  25.4 53.23 0 top
KiKit_MB_101_3  -  [NPTH]  25.4 53.77 0 top
KiKit_MB_102_2  -  [NPTH]  33.1 53.77 0 top
KiKit_MB_102_3  -  [NPTH]  33.1 53.23 0 top
KiKit_MB_103_2  -  [NPTH]  34.7 53.23 0 top
KiKit_MB_103_3  -  [NPTH]  34.7 53.77 0 top
KiKit_MB_104_2  -  [NPTH]  42.4 53.77 0 top
KiKit_MB_104_3  -  [NPTH]  42.4 53.23 0 top
KiKit_MB_105_2  -  [NPTH]  44 53.23 0 top
KiKit_MB_105_3  -  [NPTH]  44 53.77 0 top
KiKit_MB_106_2  -  [NPTH]  51.7 53.77 0 top
KiKit_MB_106_3  -  [NPTH]  51.7 53.23 0 top
KiKit_MB_107_2  -  [NPTH]  53.3 53.23 0 top
KiKit_MB_107_3  -  [NPTH]  53.3 53.77 0 top
KiKit_MB_108_2  -  [NPTH]  61 53.77 0 top
KiKit_MB_108_3  -  [NPTH]  61 53.23 0 top
KiKit_MB_109_2  -  [NPTH]  62.6 53.23 0 top
KiKit_MB_109_3  -  [NPTH]  62.6 53.77 0 top
KiKit_MB_110_2  -  [NPTH]  70.3 53.77 0 top
KiKit_MB_110_3  -  [NPTH]  70.3 53.23 0 top
KiKit_MB_111_2  -  [NPTH]  71.9 53.23 0 top
KiKit_MB_111_3  -  [NPTH]  71.9 53.77 0 top
KiKit_MB_112_2  -  [NPTH]  79.6 53.77 0 top
KiKit_MB_112_3  -  [NPTH]  79.6 53.23 0 top
KiKit_MB_113_2  -  [NPTH]  6.8 48.23 0 top
KiKit_MB_113_3  -  [NPTH]  6.8 48.77 0 top
KiKit_MB_114_2  -  [NPTH]  14.5 48.77 0 top
KiKit_MB_114_3  -  [NPTH]  14.5 48.23 0 top
KiKit_MB_115_2  -  [NPTH]  16.1 48.23 0 top
KiKit_MB_115_3  -  [NPTH]  16.1 48.77 0 top
KiKit_MB_116_2  -  [NPTH]  23.8 48.77 0 top
KiKit_MB_116_3  -  [NPTH]  23.8 48.23 0 top
KiKit_MB_117_2  -  [NPTH]  25.4 48.23 0 top
KiKit_MB_117_3  -  [NPTH]  25.4 48.77 0 top
KiKit_MB_118_2  -  [NPTH]  33.1 48.77 0 top
KiKit_MB_118_3  -  [NPTH]  33.1 48.23 0 top
KiKit_MB_119_2  -  [NPTH]  34.7 48.23 0 top
KiKit_MB_119_3  -  [NPTH]  34.7 48.77 0 top
KiKit_MB_120_2  -  [NPTH]  42.4 48.77 0 top
KiKit_MB_120_3  -  [NPTH]  42.4 48.23 0 top
KiKit_MB_121_2  -  [NPTH]  44 48.23 0 top
KiKit_MB_121_3  -  [NPTH]  44 48.77 0 top
KiKit_MB_122_2  -  [NPTH]  51.7 48.77 0 top
KiKit_MB_122_3  -  [NPTH]  51.7 48.23 0 top
KiKit_MB_123_2  -  [NPTH]  53.3 48.23 0 top
KiKit_MB_123_3  -  [NPTH]  53.3 48.77 0 top
KiKit_MB_124_2  -  [NPTH]  61 48.77 0 top
KiKit_MB_124_3  -  [NPTH]  61 48.23 0 top
KiKit_MB_125_2  -  [NPTH]  62.6 48.23 0 top
KiKit_MB_125_3  -  [NPTH]  62.6 48.77 0 top
KiKit_MB_126_2  -  [NPTH]  70.3 48.77 0 top
KiKit_MB_126_3  -  [NPTH]  70.3 48.23 0 top
KiKit_MB_127_2  -  [NPTH]  71.9 48.23 0 top
KiKit_MB_127_3  -  [NPTH]  71.9 48.77 0 top
KiKit_MB_128_2  -  [NPTH]  79.6 48.77 0 top
KiKit_MB_128_3  -  [NPTH]  79.6 48.23 0 top
KiKit_MB_129_2  -  [NPTH]  6.8 43.23 0 top
KiKit_MB_129_3  -  [NPTH]  6.8 43.77 0 top
KiKit_MB_130_2  -  [NPTH]  14.5 43.77 0 top
KiKit_MB_130_3  -  [NPTH]  14.5 43.23 0 top
KiKit_MB_131_2  -  [NPTH]  16.1 43.23 0 top
KiKit_MB_131_3  -  [NPTH]  16.1 43.77 0 top
KiKit_MB_132_2  -  [NPTH]  23.8 43.77 0 top
KiKit_MB_132_3  -  [NPTH]  23.8 43.23 0 top
KiKit_MB_133_2  -  [NPTH]  25.4 43.23 0 top
KiKit_MB_133_3  -  [NPTH]  25.4 43.77 0 top
KiKit_MB_134_2  -  [NPTH]  33.1 43.77 0 top
KiKit_MB_134_3  -  [NPTH]  33.1 43.23 0 top
KiKit_MB_135_2  -  [NPTH]  34.7 43.23 0 top
KiKit_MB_135_3  -  [NPTH]  34.7 43.77 0 top
KiKit_MB_136_2  -  [NPTH]  42.4 43.77 0 top
KiKit_MB_136_3  -  [NPTH]  42.4 43.23 0 top
KiKit_MB_137_2  -  [NPTH]  44 43.23 0 top
KiKit_MB_137_3  -  [NPTH]  44 43.77 0 top
KiKit_MB_138_2  -  [NPTH]  51.7 43.77 0 top
KiKit_MB_138_3  -  [NPTH]  51.7 43.23 0 top
KiKit_MB_139_2  -  [NPTH]  53.3 43.23 0 top
KiKit_MB_139_3  -  [NPTH]  53.3 43.77 0 top
KiKit_MB_140_2  -  [NPTH]  61 43.77 0 top
KiKit_MB_140_3  -  [NPTH]  61 43.23 0 top
KiKit_MB_141_2  -  [NPTH]  62.6 43.23 0 top
